# Altium PCB miniBackplane.PcbDoc (part 12 of 24) (continued)
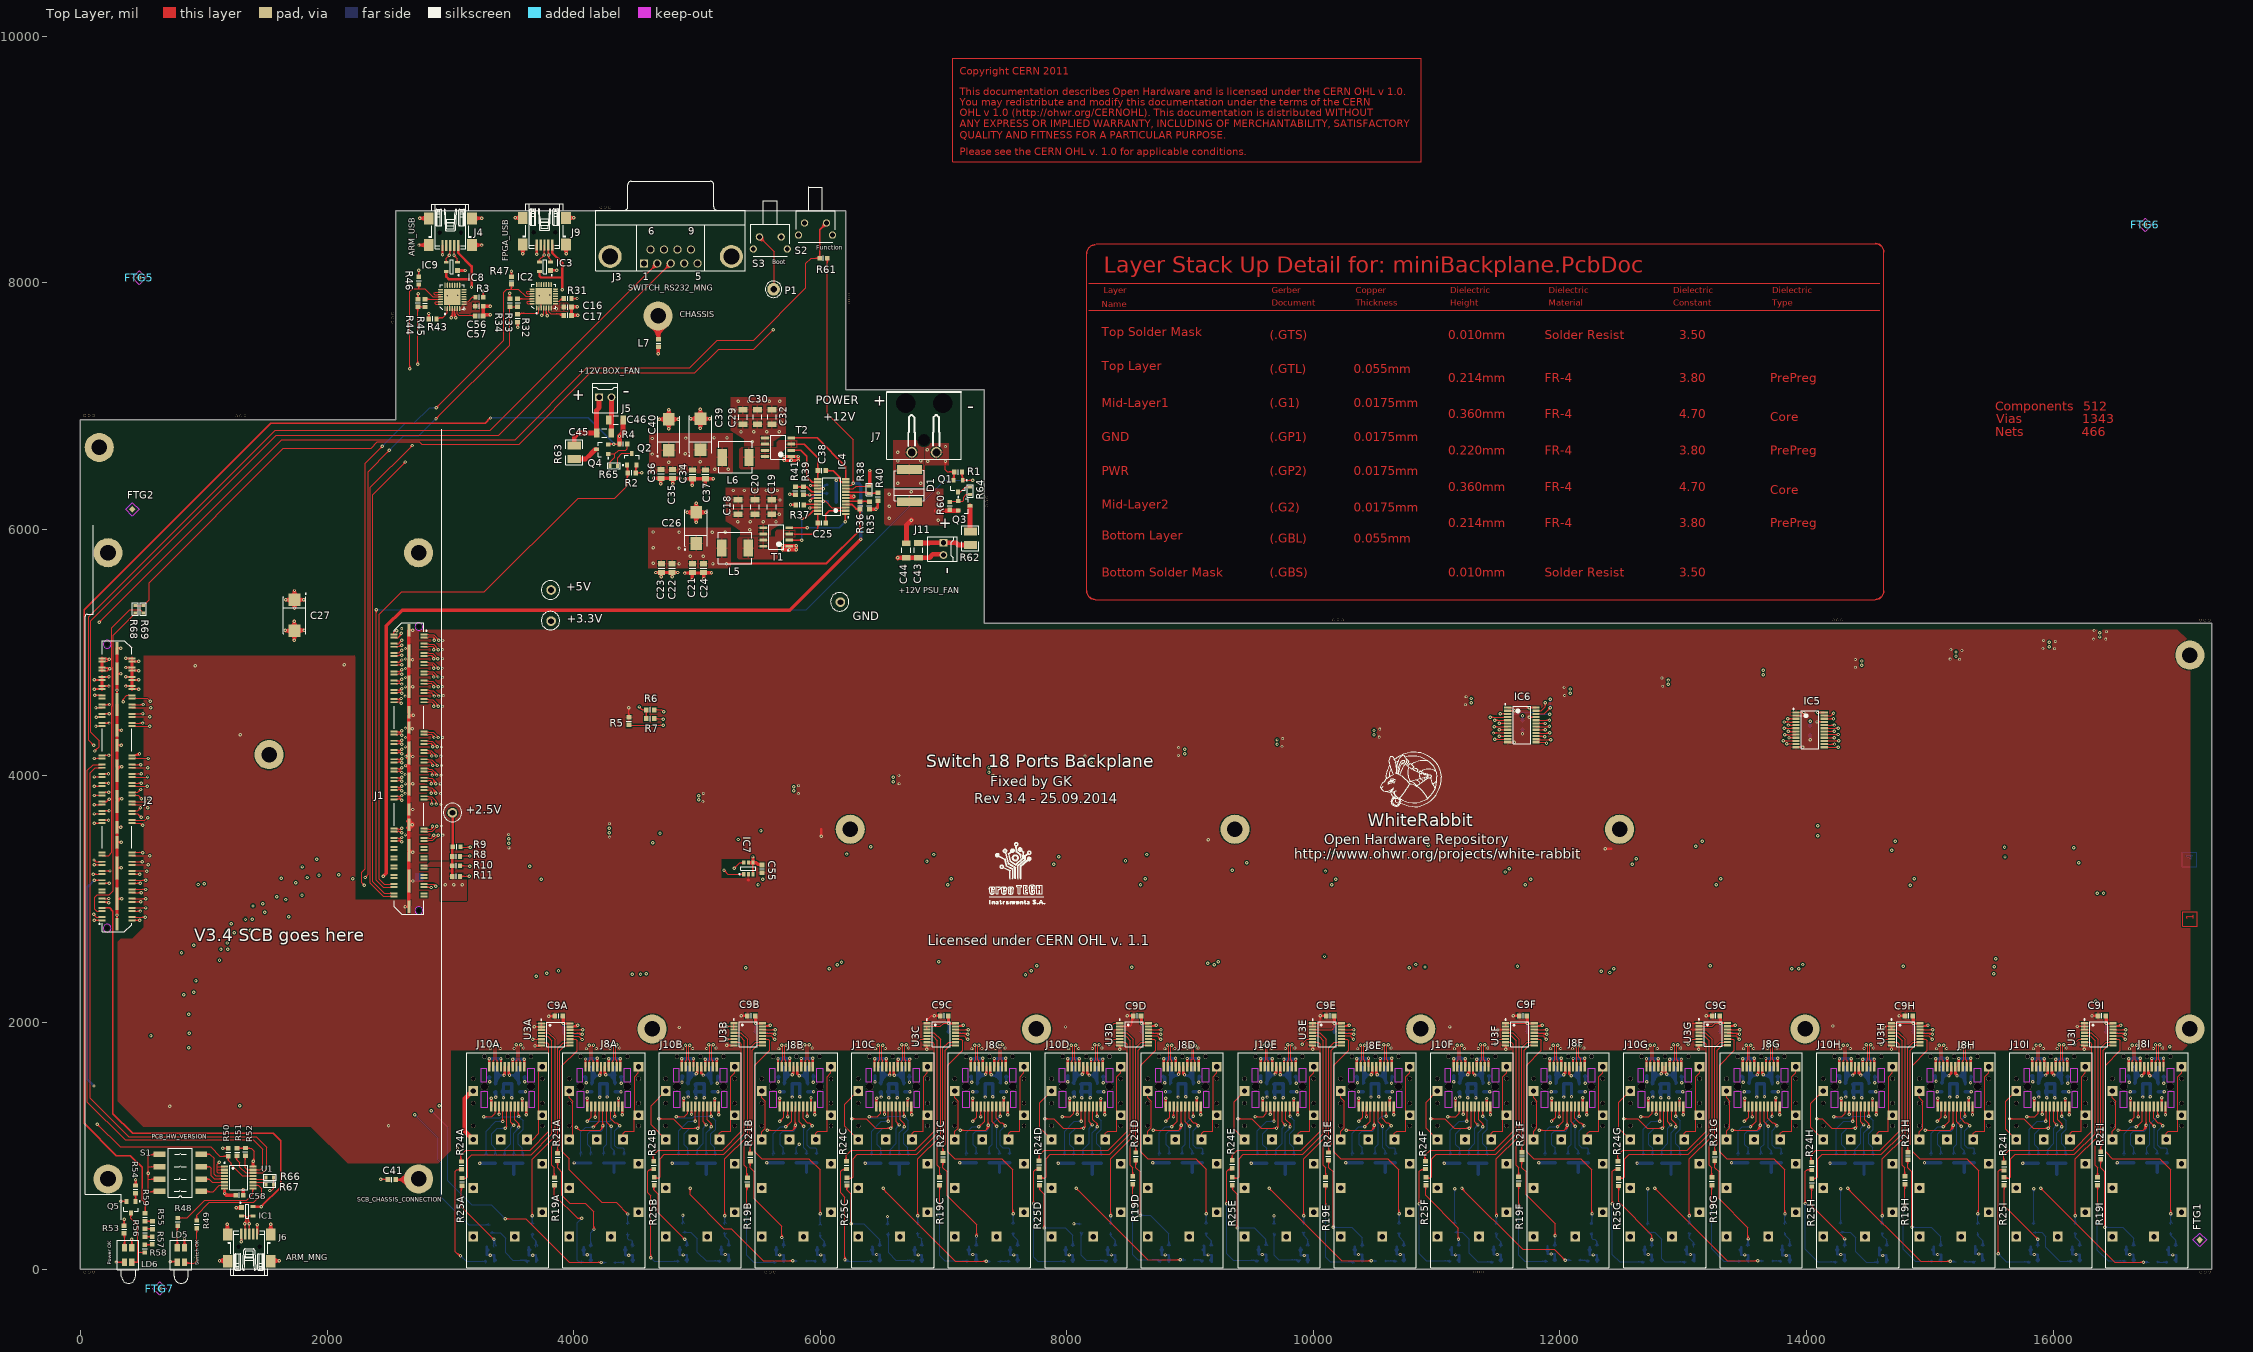
[diagram p0: Top Layer view]
## Nets (pads, with @x,y where several pads share a name; then routed paths per layer and width w, separated by ;. In a path a pad name is that pad's centre, name@x,y a point inside that pad or via, vN(x,y) a via of type N, cw(c..) or ccw(c..) an arc to the next point about the centre after c; other vN are vias at no path point) (continued)
  Mid-Layer 1 w7.09: v1(9460.63,3295.28) 9688.98,3295.28 10043.31,3649.61 11712.6,3649.61 12140.75,4077.76 12140.75,4362.2 12101.38,4401.57 v1(11915.35,4401.57) v1@11913.39,4399.61 ; 9485.34,3295.28 ccw(c9485.34,3270.56) 9467.87,3288.04 cw(c9485.34,3270.56) 9485.34,3295.28 ; 9485.34,3295.28 cw(c9485.34,3319.99) 9467.87,3302.51 ccw(c9485.34,3319.99) 9485.34,3295.28 ; 11940.07,4401.57 ccw(c11940.07,4376.86) 11922.59,4394.34 cw(c11940.07,4376.86) 11940.07,4401.57 ; 11940.07,4401.57 cw(c11940.07,4426.29) 11922.59,4408.81 ccw(c11940.07,4426.29) 11940.07,4401.57
  Mid-Layer 2 w7.09: v1(9387.18,1220.56) 9367.18,1240.56 9367.18,1677.8 9342.93,1702.06 9342.93,2150.24 9311.02,2182.15 9311.02,3263.78 9342.52,3295.28 v1@9456.69,3295.28 ; 9369.71,1238.03 ccw(c9387.18,1255.51) 9387.18,1230.8 cw(c9387.18,1255.51) 9369.71,1238.03 ; 9369.71,1238.03 cw(c9352.23,1220.56) 9376.94,1220.56 ccw(c9352.23,1220.56) 9369.71,1238.03 ; 9435.92,3295.28 ccw(c9435.92,3319.99) 9453.39,3302.51 cw(c9435.92,3319.99) 9435.92,3295.28 ; 9435.92,3295.28 cw(c9435.92,3270.56) 9453.39,3288.04 ccw(c9435.92,3270.56) 9435.92,3295.28
  Bottom Layer w7.87: R30E.1@9621.81,922.53 9621.81,977.94 9591.13,1008.62 9591.13,1098.62 9636.13,1143.62 v1(9701.13,1143.62) ; 9621.81,955.79 ccw(c9655.08,955.79) 9631.55,932.27 cw(c9655.08,955.79) 9621.81,955.79 ; 9621.81,955.79 cw(c9588.54,955.79) 9612.07,932.27 ccw(c9588.54,955.79) 9621.81,955.79 ; 9677.36,1143.62 ccw(c9677.36,1167.38) 9694.17,1150.58 cw(c9677.36,1167.38) 9677.36,1143.62 ; 9677.36,1143.62 cw(c9677.36,1119.86) 9694.17,1136.66 ccw(c9677.36,1119.86) 9677.36,1143.62
I2C_DL_SC9: IC6.20 J8E.5 R16E.1 | length 7481
  Top Layer w7.87: v1(10267.18,1125.56) 10472.18,1125.56 ; 10481.89,1138.73 cw(c10518.83,1134.28) v1@10495.86,1163.55 ; v1@10486.9,1159.03 cw(c10473.32,1148.36) 10490.46,1146.3 ; J8E.5@10494.65,1320.05 v1(10494.65,1165.1) 10494.65,1148.02 ; IC6.20@11805.75,4451.3 v1(11915.35,4451.3) ; 10290.94,1125.56 ccw(c10290.94,1101.8) 10274.14,1118.6 cw(c10290.94,1101.8) 10290.94,1125.56 ; 10290.94,1125.56 cw(c10290.94,1149.32) 10274.14,1132.52 ccw(c10290.94,1149.32) 10290.94,1125.56 ; 10472.18,1125.56 ccw(c10440.39,1157.36) 10484.9,1163.71 cw(c10440.39,1157.36) 10472.18,1125.56 ; 10472.18,1125.56 10494.65,1148.02 ; 10494.65,1148.02 ccw(c10484.75,1148.02) 10489.71,1156.59 cw(c10484.75,1148.02) 10494.65,1148.02 ; 10494.65,1148.02 cw(c10504.54,1148.02) 10499.58,1156.59 ccw(c10504.54,1148.02) 10494.65,1148.02 ; 10494.65,1188.86 ccw(c10518.41,1188.86) 10501.61,1172.06 cw(c10518.41,1188.86) 10494.65,1188.86 ; 10494.65,1188.86 cw(c10470.88,1188.86) 10487.69,1172.06 ccw(c10470.88,1188.86) 10494.65,1188.86 ; 10494.65,1274.6 ccw(c10480.39,1274.6) 10490.47,1284.68 cw(c10480.39,1274.6) 10494.65,1274.6 ; 10494.65,1274.6 cw(c10508.9,1274.6) 10498.82,1284.68 ccw(c10508.9,1274.6) 10494.65,1274.6 ; 11838.3,4451.3 ccw(c11838.3,4439.42) 11829.9,4447.82 cw(c11838.3,4439.42) 11838.3,4451.3 ; 11838.3,4451.3 cw(c11838.3,4463.18) 11829.9,4454.78 ccw(c11838.3,4463.18) 11838.3,4451.3 ; 11891.59,4451.3 ccw(c11891.59,4475.06) 11908.39,4458.26 cw(c11891.59,4475.06) 11891.59,4451.3 ; 11891.59,4451.3 cw(c11891.59,4427.54) 11908.39,4444.34 ccw(c11891.59,4427.54) 11891.59,4451.3 ; 10483.32,1136.7 ccw(c10459.88,1160.14) 10492.7,1164.82 cw(c10459.88,1160.14) 10483.32,1136.7 ; 10494.46,1147.83 ccw(c10479.37,1162.92) 10500.49,1165.94 cw(c10479.37,1162.92) 10494.46,1147.83
  Mid-Layer 1 w7.09: v1(10161.42,3374.02) 10346.46,3559.06 11763.78,3559.06 12212.6,4007.87 12212.6,4396.65 12157.95,4451.3 v1(11915.35,4451.3) ; 10178.89,3391.49 ccw(c10196.37,3374.02) 10171.65,3374.02 cw(c10196.37,3374.02) 10178.89,3391.49 ; 10178.89,3391.49 cw(c10161.42,3408.96) 10161.42,3384.25 ccw(c10161.42,3408.96) 10178.89,3391.49 ; 11940.07,4451.3 ccw(c11940.07,4426.59) 11922.59,4444.06 cw(c11940.07,4426.59) 11940.07,4451.3 ; 11940.07,4451.3 cw(c11940.07,4476.01) 11922.59,4458.54 ccw(c11940.07,4476.01) 11940.07,4451.3
  Mid-Layer 2 w7.09: 10149,3365.87 cw(c10165.65,3361.41) v1@10160.17,3377.75 ; v1@10165.35,3374.02 10066.93,3275.59 10066.93,2645.67 9996.06,2574.8 9996.06,1874.02 10067.18,1802.9 10067.18,1245.56 10187.18,1125.56 v1(10267.18,1125.56) ; 10242.47,1125.56 ccw(c10242.47,1150.27) 10259.94,1132.8 cw(c10242.47,1150.27) 10242.47,1125.56 ; 10242.47,1125.56 cw(c10242.47,1100.85) 10259.94,1118.32 ccw(c10242.47,1100.85) 10242.47,1125.56 ; 10141.16,3349.82 ccw(c10116.96,3374.02) 10151.18,3374.02 cw(c10116.96,3374.02) 10141.16,3349.82 ; 10150.66,3359.33 cw(c10161.42,3348.57) 10161.42,3363.78 ccw(c10161.42,3348.57) 10150.66,3359.33 ; 10153.26,3361.92 ccw(c10141.16,3374.02) 10158.27,3374.02 cw(c10141.16,3374.02) 10153.26,3361.92
  Bottom Layer w7.87: R16E.1@10396.13,925.12 10396.13,983.62 10371.13,1008.62 10371.13,1098.62 10391.13,1118.62 10481.13,1118.62 10494.65,1132.14 v1(10494.65,1165.1) ; 10396.13,958.38 ccw(c10429.39,958.38) 10405.87,934.86 cw(c10429.39,958.38) 10396.13,958.38 ; 10396.13,958.38 cw(c10362.86,958.38) 10386.38,934.86 ccw(c10362.86,958.38) 10396.13,958.38 ; 10494.65,1141.34 ccw(c10470.88,1141.34) 10487.69,1158.14 cw(c10470.88,1141.34) 10494.65,1141.34 ; 10494.65,1141.34 cw(c10518.41,1141.34) 10501.61,1158.14 ccw(c10518.41,1141.34) 10494.65,1141.34
I2C_DL_SC10: IC6.14 J10D.5 R30D.1 | length 8650.5
  Top Layer w7.87: v1(7822.18,1220.56) 7893.61,1220.56 7970.55,1143.62 v1(8136.13,1143.62) 8149.65,1157.14 ; J10D.5@8149.65,1320.05 8149.65,1157.14 ; IC6.14@11805.75,4297.76 11810.67,4292.83 v1@11927.17,4292.83 ; IC6.14@11829.69,4294.08 cw(c11835.8,4287.25) 11840.38,4295.18 ; 7845.94,1220.56 ccw(c7845.94,1196.8) 7829.14,1213.6 cw(c7845.94,1196.8) 7845.94,1220.56 ; 7845.94,1220.56 cw(c7845.94,1244.32) 7829.14,1227.52 ccw(c7845.94,1244.32) 7845.94,1220.56 ; 8112.36,1143.62 ccw(c8112.36,1167.38) 8129.17,1150.58 cw(c8112.36,1167.38) 8112.36,1143.62 ; 8112.36,1143.62 cw(c8112.36,1119.86) 8129.17,1136.66 ccw(c8112.36,1119.86) 8112.36,1143.62 ; 8149.65,1157.14 ccw(c8159.3,1147.49) 8145.83,1145.24 cw(c8159.3,1147.49) 8149.65,1157.14 ; 8149.65,1157.14 cw(c8139.99,1166.79) 8137.75,1153.33 ccw(c8139.99,1166.79) 8149.65,1157.14 ; 8149.65,1274.6 ccw(c8135.39,1274.6) 8145.47,1284.68 cw(c8135.39,1274.6) 8149.65,1274.6 ; 8149.65,1274.6 cw(c8163.9,1274.6) 8153.82,1284.68 ccw(c8163.9,1274.6) 8149.65,1274.6 ; IC6.14@11829.9,4301.24 ccw(c11850.18,4321.52) 11850.18,4292.83 cw(c11850.18,4321.52) IC6.14@11829.9,4301.24 ; 11902.26,4292.83 ccw(c11902.26,4318.21) 11920.21,4300.27 cw(c11902.26,4318.21) 11902.26,4292.83 ; 11904.54,4292.83 cw(c11904.54,4270.69) 11920.21,4286.35 ccw(c11904.54,4270.69) 11904.54,4292.83
  Mid-Layer 1 w7.09: v1(7934.45,3343.9) 8204.72,3614.17 9212.6,3614.17 9409.45,3811.02 11586.61,3811.02 11966.54,4190.94 11966.54,4281.5 11952.76,4295.28 ; v1@11926.18,4292.32 v1(11927.17,4293.31) ; v1@11927.17,4295.28 11952.76,4295.28 ; 7951.92,3361.37 ccw(c7969.4,3343.9) 7944.68,3343.9 cw(c7969.4,3343.9) 7951.92,3361.37 ; 7951.92,3361.37 cw(c7934.45,3378.85) 7934.45,3354.13 ccw(c7934.45,3378.85) 7951.92,3361.37 ; 11952.75,4295.28 ccw(c11952.75,4272.58) 11935.12,4286.86 cw(c11952.75,4272.58) 11952.75,4295.28 ; v1@11934.4,4300.55 ccw(c11947.13,4313.27) 11947.13,4295.28 cw(c11947.13,4313.27) v1@11934.4,4300.55
  Mid-Layer 2 w7.09: v1(7822.18,1220.56) 7802.18,1240.56 7802.18,1739.19 7925.2,1862.2 7925.2,2016.17 7805.71,2135.65 7805.71,3246.65 7902.95,3343.9 v1(7934.45,3343.9) ; 7804.71,1238.03 ccw(c7822.18,1255.51) 7822.18,1230.8 cw(c7822.18,1255.51) 7804.71,1238.03 ; 7804.71,1238.03 cw(c7787.23,1220.56) 7811.94,1220.56 ccw(c7787.23,1220.56) 7804.71,1238.03 ; 7909.74,3343.9 ccw(c7909.74,3368.61) 7927.21,3351.14 cw(c7909.74,3368.61) 7909.74,3343.9 ; 7909.74,3343.9 cw(c7909.74,3319.19) 7927.21,3336.66 ccw(c7909.74,3319.19) 7909.74,3343.9
  Bottom Layer w7.87: R30D.1@8056.81,922.53 8056.81,977.94 8026.13,1008.62 8026.13,1098.62 8071.13,1143.62 v1(8136.13,1143.62) ; 8056.81,955.79 ccw(c8090.08,955.79) 8066.55,932.27 cw(c8090.08,955.79) 8056.81,955.79 ; 8056.81,955.79 cw(c8023.54,955.79) 8047.07,932.27 ccw(c8023.54,955.79) 8056.81,955.79 ; 8112.36,1143.62 ccw(c8112.36,1167.38) 8129.17,1150.58 cw(c8112.36,1167.38) 8112.36,1143.62 ; 8112.36,1143.62 cw(c8112.36,1119.86) 8129.17,1136.66 ccw(c8112.36,1119.86) 8112.36,1143.62
I2C_DL_SC11: IC6.16 J8D.5 R16D.1 | length 8631.5
  Top Layer w7.87: v1(8702.18,1125.56) 8907.18,1125.56 ; 8916.89,1138.73 cw(c8953.83,1134.28) v1@8930.86,1163.55 ; v1@8921.9,1159.03 cw(c8908.32,1148.36) 8925.46,1146.3 ; J8D.5@8929.65,1320.05 v1(8929.65,1165.1) 8929.65,1148.02 ; IC6.16@11805.75,4348.94 11807.03,4347.65 v1@11915.57,4347.65 ; 8725.94,1125.56 ccw(c8725.94,1101.8) 8709.14,1118.6 cw(c8725.94,1101.8) 8725.94,1125.56 ; 8725.94,1125.56 cw(c8725.94,1149.32) 8709.14,1132.52 ccw(c8725.94,1149.32) 8725.94,1125.56 ; 8907.18,1125.56 ccw(c8875.39,1157.36) 8919.9,1163.71 cw(c8875.39,1157.36) 8907.18,1125.56 ; 8907.18,1125.56 8929.65,1148.02 ; 8929.65,1148.02 ccw(c8919.75,1148.02) 8924.71,1156.59 cw(c8919.75,1148.02) 8929.65,1148.02 ; 8929.65,1148.02 cw(c8939.54,1148.02) 8934.58,1156.59 ccw(c8939.54,1148.02) 8929.65,1148.02 ; 8929.65,1188.86 ccw(c8953.41,1188.86) 8936.61,1172.06 cw(c8953.41,1188.86) 8929.65,1188.86 ; 8929.65,1188.86 cw(c8905.88,1188.86) 8922.69,1172.06 ccw(c8905.88,1188.86) 8929.65,1188.86 ; 8929.65,1274.6 ccw(c8915.39,1274.6) 8925.47,1284.68 cw(c8915.39,1274.6) 8929.65,1274.6 ; 8929.65,1274.6 cw(c8943.9,1274.6) 8933.82,1284.68 ccw(c8943.9,1274.6) 8929.65,1274.6 ; 8918.32,1136.7 ccw(c8894.88,1160.14) 8927.7,1164.82 cw(c8894.88,1160.14) 8918.32,1136.7 ; 8929.46,1147.83 ccw(c8914.37,1162.92) 8935.49,1165.94 cw(c8914.37,1162.92) 8929.46,1147.83 ; IC6.16@11829.9,4345.46 cw(c11835.2,4340.15) 11835.2,4347.65 ccw(c11835.2,4340.15) IC6.16@11829.9,4345.46 ; IC6.16@11829.9,4352.42 ccw(c11841.39,4363.91) 11841.39,4347.65 cw(c11841.39,4363.91) IC6.16@11829.9,4352.42 ; 11889.32,4347.65 ccw(c11889.32,4377.41) 11910.36,4356.37 cw(c11889.32,4377.41) 11889.32,4347.65 ; 11897.8,4347.65 cw(c11897.8,4329.88) 11910.36,4342.45 ccw(c11897.8,4329.88) 11897.8,4347.65
  Mid-Layer 1 w7.09: v1(8649.61,3362.2) 9468.5,3362.2 9830.71,3724.41 11653.54,3724.41 12076.77,4147.64 12076.77,4323.82 12051.65,4348.94 v1@11917.32,4348.94 ; v1@11915.57,4347.65 v1(11917.32,4349.41) ; 8674.32,3362.2 ccw(c8674.32,3337.49) 8656.84,3354.97 cw(c8674.32,3337.49) 8674.32,3362.2 ; 8674.32,3362.2 cw(c8674.32,3386.92) 8656.84,3369.44 ccw(c8674.32,3386.92) 8674.32,3362.2 ; v1@11924.56,4342.17 cw(c11940.89,4325.84) 11940.89,4348.94 ccw(c11940.89,4325.84) v1@11924.56,4342.17 ; v1@11924.56,4356.65 ccw(c11943.18,4375.26) 11943.18,4348.94 cw(c11943.18,4375.26) v1@11924.56,4356.65
  Mid-Layer 2 w7.09: v1(8649.61,3362.2) 8468.5,3362.2 8430.71,3324.41 8430.71,2011.09 8462.18,1979.61 8462.18,1740.56 8502.18,1700.56 8502.18,1245.56 8622.18,1125.56 v1(8702.18,1125.56) ; 8624.89,3362.2 ccw(c8624.89,3386.92) 8642.37,3369.44 cw(c8624.89,3386.92) 8624.89,3362.2 ; 8624.89,3362.2 cw(c8624.89,3337.49) 8642.37,3354.97 ccw(c8624.89,3337.49) 8624.89,3362.2 ; 8677.47,1125.56 ccw(c8677.47,1150.27) 8694.94,1132.8 cw(c8677.47,1150.27) 8677.47,1125.56 ; 8677.47,1125.56 cw(c8677.47,1100.85) 8694.94,1118.32 ccw(c8677.47,1100.85) 8677.47,1125.56
  Bottom Layer w7.87: R16D.1@8831.13,925.12 8831.13,983.62 8806.13,1008.62 8806.13,1098.62 8826.13,1118.62 8916.13,1118.62 8929.65,1132.14 v1(8929.65,1165.1) ; 8831.13,958.38 ccw(c8864.39,958.38) 8840.87,934.86 cw(c8864.39,958.38) 8831.13,958.38 ; 8831.13,958.38 cw(c8797.86,958.38) 8821.38,934.86 ccw(c8797.86,958.38) 8831.13,958.38 ; 8929.65,1141.34 ccw(c8905.88,1141.34) 8922.69,1158.14 cw(c8905.88,1141.34) 8929.65,1141.34 ; 8929.65,1141.34 cw(c8953.41,1141.34) 8936.61,1158.14 ccw(c8953.41,1141.34) 8929.65,1141.34
I2C_DL_SC12: IC6.9 J10C.5 R30C.1 | length 9704.8
  Top Layer w7.87: v1(6257.18,1220.56) 6372.18,1220.56 6449.12,1143.62 v1(6571.13,1143.62) 6584.65,1157.14 ; J10C.5@6584.65,1320.05 6584.65,1157.14 ; v1@11461.61,4348.94 11461.19,4348.51 v1(11461.19,4347.65) 11461.96,4348.43 11576.89,4348.43 IC6.9@11577.4,4348.94 ; 6280.94,1220.56 ccw(c6280.94,1196.8) 6264.14,1213.6 cw(c6280.94,1196.8) 6280.94,1220.56 ; 6280.94,1220.56 cw(c6280.94,1244.32) 6264.14,1227.52 ccw(c6280.94,1244.32) 6280.94,1220.56 ; 6547.36,1143.62 ccw(c6547.36,1167.38) 6564.17,1150.58 cw(c6547.36,1167.38) 6547.36,1143.62 ; 6547.36,1143.62 cw(c6547.36,1119.86) 6564.17,1136.66 ccw(c6547.36,1119.86) 6547.36,1143.62 ; 6584.65,1157.14 ccw(c6594.3,1147.49) 6580.83,1145.24 cw(c6594.3,1147.49) 6584.65,1157.14 ; 6584.65,1157.14 cw(c6574.99,1166.79) 6572.75,1153.33 ccw(c6574.99,1166.79) 6584.65,1157.14 ; J10C.5@6577.97,1284.68 cw(c6561.85,1268.57) 6584.65,1268.57 ccw(c6561.85,1268.57) J10C.5@6577.97,1284.68 ; v1@11468.15,4340.69 cw(c11486.82,4322.03) 11486.82,4348.43 ccw(c11486.82,4322.03) v1@11468.15,4340.69 ; v1@11468.15,4354.61 ccw(c11483.09,4369.55) 11483.09,4348.43 cw(c11483.09,4369.55) v1@11468.15,4354.61 ; 11543.62,4348.43 ccw(c11543.62,4362.05) 11553.25,4352.42 cw(c11543.62,4362.05) 11543.62,4348.43 ; 11546.09,4348.43 cw(c11546.09,4338.29) 11553.25,4345.46 ccw(c11546.09,4338.29) 11546.09,4348.43
  Mid-Layer 1 w7.09: v1@6228.35,3362.2 6539.37,3362.2 6673.23,3496.06 7515.75,3496.06 7885.83,3866.14 9145.67,3866.14 9283.46,4003.94 11087.28,4003.94 11432.28,4348.94 v1@11461.61,4348.94 ; v1@6218.76,3368.37 ccw(c6233.64,3383.25) 6233.64,3362.2 cw(c6233.64,3383.25) v1@6218.76,3368.37 ; v1@6223.77,3358.9 cw(c6231.74,3350.93) 6231.74,3362.2 ccw(c6231.74,3350.93) v1@6223.77,3358.9 ; v1@6223.77,3373.38 ccw(c6250.75,3400.36) 6250.75,3362.2 cw(c6250.75,3400.36) v1@6223.77,3373.38 ; 11433.38,4348.94 cw(c11433.38,4319.84) 11453.95,4340.42 ccw(c11433.38,4319.84) 11433.38,4348.94 ; 11439.58,4348.94 ccw(c11439.58,4369.27) 11453.95,4354.89 cw(c11439.58,4369.27) 11439.58,4348.94
  Mid-Layer 2 w7.09: 6214.51,3349.88 cw(c6223.09,3354.84) v1@6218.12,3363.42 ; 6218.06,3343.73 cw(c6226.66,3348.7) v1@6221.67,3357.29 ; v1@6222.44,3366.14 6222.44,1255.3 v1(6257.18,1220.56) ; 6239.71,1238.03 ccw(c6257.18,1255.51) 6257.18,1230.8 cw(c6257.18,1255.51) 6239.71,1238.03 ; 6239.71,1238.03 cw(c6222.23,1220.56) 6246.94,1220.56 ccw(c6222.23,1220.56) 6239.71,1238.03 ; v1@6209.3,3358.9 cw(c6177.57,3327.17) 6222.44,3327.17 ccw(c6177.57,3327.17) v1@6209.3,3358.9 ; v1@6214.31,3363.91 cw(c6194.67,3344.28) 6222.44,3344.28 ccw(c6194.67,3344.28) v1@6214.31,3363.91
  Bottom Layer w7.87: R30C.1@6491.81,922.53 6491.81,977.94 6461.13,1008.62 6461.13,1098.62 6506.13,1143.62 v1(6571.13,1143.62) ; 6491.81,955.79 ccw(c6525.08,955.79) 6501.55,932.27 cw(c6525.08,955.79) 6491.81,955.79 ; 6491.81,955.79 cw(c6458.54,955.79) 6482.07,932.27 ccw(c6458.54,955.79) 6491.81,955.79 ; 6547.36,1143.62 ccw(c6547.36,1167.38) 6564.17,1150.58 cw(c6547.36,1167.38) 6547.36,1143.62 ; 6547.36,1143.62 cw(c6547.36,1119.86) 6564.17,1136.66 ccw(c6547.36,1119.86) 6547.36,1143.62
  other v1: 6216.54,3366.14
I2C_DL_SC13: IC6.11 J8C.5 R16C.1 | length 9296.3
  Top Layer w7.87: v1(7137.18,1125.56) 7342.18,1125.56 ; 7351.89,1138.73 cw(c7388.83,1134.28) v1@7365.86,1163.55 ; v1@7356.9,1159.03 cw(c7343.32,1148.36) 7360.46,1146.3 ; J8C.5@7364.65,1320.05 v1(7364.65,1165.1) 7364.65,1148.02 ; v1(11471.46,4296.26) 11575.91,4296.26 IC6.11@11577.4,4297.76 ; 7160.94,1125.56 ccw(c7160.94,1101.8) 7144.14,1118.6 cw(c7160.94,1101.8) 7160.94,1125.56 ; 7160.94,1125.56 cw(c7160.94,1149.32) 7144.14,1132.52 ccw(c7160.94,1149.32) 7160.94,1125.56 ; 7342.18,1125.56 ccw(c7310.39,1157.36) 7354.9,1163.71 cw(c7310.39,1157.36) 7342.18,1125.56 ; 7342.18,1125.56 7364.65,1148.02 ; 7364.65,1148.02 ccw(c7354.75,1148.02) 7359.71,1156.59 cw(c7354.75,1148.02) 7364.65,1148.02 ; 7364.65,1148.02 cw(c7374.54,1148.02) 7369.58,1156.59 ccw(c7374.54,1148.02) 7364.65,1148.02 ; 7364.65,1188.86 ccw(c7388.41,1188.86) 7371.61,1172.06 cw(c7388.41,1188.86) 7364.65,1188.86 ; 7364.65,1188.86 cw(c7340.88,1188.86) 7357.69,1172.06 ccw(c7340.88,1188.86) 7364.65,1188.86 ; 7364.65,1274.6 ccw(c7350.39,1274.6) 7360.47,1284.68 cw(c7350.39,1274.6) 7364.65,1274.6 ; 7364.65,1274.6 cw(c7378.9,1274.6) 7368.82,1284.68 ccw(c7378.9,1274.6) 7364.65,1274.6 ; 11495.22,4296.26 ccw(c11495.22,4272.5) 11478.42,4289.3 cw(c11495.22,4272.5) 11495.22,4296.26 ; 11495.22,4296.26 cw(c11495.22,4320.02) 11478.42,4303.22 ccw(c11495.22,4320.02) 11495.22,4296.26 ; 7353.32,1136.7 ccw(c7329.88,1160.14) 7362.7,1164.82 cw(c7329.88,1160.14) 7353.32,1136.7 ; 7364.46,1147.83 ccw(c7349.37,1162.92) 7370.49,1165.94 cw(c7349.37,1162.92) 7364.46,1147.83 ; 11541.24,4296.26 ccw(c11541.24,4313.25) 11553.25,4301.24 cw(c11541.24,4313.25) 11541.24,4296.26
  Mid-Layer 1 w7.09: v1@6870.08,3307.09 6937.01,3307.09 6984.25,3354.33 7692.91,3354.33 8129.92,3791.34 9200.79,3791.34 9354.33,3944.88 11118.58,3944.88 v1@11471.46,4297.76 ; 11464.18,4284.07 ccw(c11460.14,4299.17) v1@11475.27,4295.28 ; 6890.85,3307.09 ccw(c6890.85,3282.37) 6873.38,3299.85 cw(c6890.85,3282.37) 6890.85,3307.09 ; 6890.85,3307.09 cw(c6890.85,3331.8) 6873.38,3314.32 ccw(c6890.85,3331.8) 6890.85,3307.09 ; 11451.43,4277.73 cw(c11471.46,4257.7) 11471.46,4286.02 ccw(c11471.46,4257.7) 11451.43,4277.73 ; 11455.04,4281.34 ccw(c11440.12,4296.26) 11461.22,4296.26 cw(c11440.12,4296.26) 11455.04,4281.34
  Mid-Layer 2 w7.09: v1@6865.71,3311.02 6865.71,2002.03 6897.18,1970.56 6897.18,1740.56 6937.18,1700.56 6937.18,1245.56 7057.18,1125.56 v1(7137.18,1125.56) ; 7112.47,1125.56 ccw(c7112.47,1150.27) 7129.94,1132.8 cw(c7112.47,1150.27) 7112.47,1125.56 ; 7112.47,1125.56 cw(c7112.47,1100.85) 7129.94,1118.32 ccw(c7112.47,1100.85) 7112.47,1125.56 ; v1@6858.9,3299.85 cw(c6842.47,3283.42) 6865.71,3283.42 ccw(c6842.47,3283.42) v1@6858.9,3299.85 ; 6865.71,3281.33 cw(c6891.9,3281.33) 6873.38,3299.85 ccw(c6891.9,3281.33) 6865.71,3281.33
  Bottom Layer w7.87: R16C.1@7266.13,925.12 7266.13,983.62 7241.13,1008.62 7241.13,1098.62 7261.13,1118.62 7351.13,1118.62 7364.65,1132.14 v1(7364.65,1165.1) ; 7266.13,958.38 ccw(c7299.39,958.38) 7275.87,934.86 cw(c7299.39,958.38) 7266.13,958.38 ; 7266.13,958.38 cw(c7232.86,958.38) 7256.38,934.86 ccw(c7232.86,958.38) 7266.13,958.38 ; 7364.65,1141.34 ccw(c7340.88,1141.34) 7357.69,1158.14 cw(c7340.88,1141.34) 7364.65,1141.34 ; 7364.65,1141.34 cw(c7388.41,1141.34) 7371.61,1158.14 ccw(c7388.41,1141.34) 7364.65,1141.34
  other v1: 6866.14,3307.09
I2C_DL_SC14: IC6.5 J10B.5 R30B.1 | length 11436
  Top Layer w7.87: v1(4692.18,1220.55) 4807.18,1220.55 4884.12,1143.61 v1(5006.13,1143.61) 5019.65,1157.13 ; J10B.5@5019.65,1320.04 5019.65,1157.13 ; v1(11472.44,4451.77) 11576.93,4451.77 IC6.5@11577.4,4451.3 ; 4715.94,1220.55 ccw(c4715.94,1196.79) 4699.14,1213.59 cw(c4715.94,1196.79) 4715.94,1220.55 ; 4715.94,1220.55 cw(c4715.94,1244.31) 4699.14,1227.51 ccw(c4715.94,1244.31) 4715.94,1220.55 ; 4982.36,1143.61 ccw(c4982.36,1167.38) 4999.17,1150.57 cw(c4982.36,1167.38) 4982.36,1143.61 ; 4982.36,1143.61 cw(c4982.36,1119.85) 4999.17,1136.65 ccw(c4982.36,1119.85) 4982.36,1143.61 ; 5019.65,1157.13 ccw(c5029.3,1147.48) 5015.83,1145.24 cw(c5029.3,1147.48) 5019.65,1157.13 ; 5019.65,1157.13 cw(c5009.99,1166.78) 5007.75,1153.32 ccw(c5009.99,1166.78) 5019.65,1157.13 ; 5019.65,1274.6 ccw(c5005.39,1274.6) 5015.47,1284.68 cw(c5005.39,1274.6) 5019.65,1274.6 ; 5019.65,1274.6 cw(c5033.9,1274.6) 5023.82,1284.68 ccw(c5033.9,1274.6) 5019.65,1274.6 ; 11496.2,4451.77 ccw(c11496.2,4428.01) 11479.4,4444.81 cw(c11496.2,4428.01) 11496.2,4451.77 ; 11496.2,4451.77 cw(c11496.2,4475.53) 11479.4,4458.73 ccw(c11496.2,4475.53) 11496.2,4451.77 ; 11543.71,4451.77 cw(c11543.71,4438.28) 11553.25,4447.82 ccw(c11543.71,4438.28) 11543.71,4451.77 ; 11545.99,4451.77 ccw(c11545.99,4462.04) 11553.25,4454.78 cw(c11545.99,4462.04) 11545.99,4451.77
  Mid-Layer 1 w7.09: v1@4638,3457.94 cw(c4654.34,3452.46) 4649.88,3469.11 ; v1@4643.7,3454.72 4669.29,3480.32 5153.54,3480.32 5468.5,3795.28 6763.78,3795.28 6905.51,3937.01 7527.56,3937.01 7622.05,4031.5 9035.43,4031.5 9161.42,4157.48 11079.72,4157.48 11373.54,4451.3 v1@11472.44,4451.3 ; v1@4641.73,3459.84 ccw(c4641.73,3476.95) 4653.83,3464.85 cw(c4641.73,3476.95) v1@4641.73,3459.84 ; v1@4641.73,3466.93 ccw(c4641.73,3501.15) 4665.93,3476.95 cw(c4641.73,3501.15) v1@4641.73,3466.93 ; v1@4651.97,3456.69 cw(c4667.18,3456.69) 4656.42,3467.45 ccw(c4667.18,3456.69) v1@4651.97,3456.69 ; 11446.59,4451.3 ccw(c11446.59,4477.62) 11465.2,4459.01 cw(c11446.59,4477.62) 11446.59,4451.3 ; 11448.87,4451.3 cw(c11448.87,4428.2) 11465.2,4444.53 ccw(c11448.87,4428.2) 11448.87,4451.3
  Mid-Layer 2 w7.09: v1(4641.73,3456.69) 4675.71,3422.72 4675.71,2119.57 4787.4,2007.87 4787.4,1842.11 4672.18,1726.89 4672.18,1240.55 v1(4692.18,1220.55) ; 4659.21,3439.22 ccw(c4641.73,3421.74) 4641.73,3446.46 cw(c4641.73,3421.74) 4659.21,3439.22 ; 4659.21,3439.22 cw(c4676.68,3456.69) 4651.97,3456.69 ccw(c4676.68,3456.69) 4659.21,3439.22 ; 4674.71,1238.03 ccw(c4692.18,1255.5) 4692.18,1230.79 cw(c4692.18,1255.5) 4674.71,1238.03 ; 4674.71,1238.03 cw(c4657.23,1220.55) 4681.94,1220.55 ccw(c4657.23,1220.55) 4674.71,1238.03
  Bottom Layer w7.87: R30B.1@4926.81,922.52 4926.81,977.93 4896.13,1008.61 4896.13,1098.61 4941.13,1143.61 v1(5006.13,1143.61) ; 4926.81,955.79 ccw(c4960.08,955.79) 4936.55,932.26 cw(c4960.08,955.79) 4926.81,955.79 ; 4926.81,955.79 cw(c4893.54,955.79) 4917.07,932.26 ccw(c4893.54,955.79) 4926.81,955.79 ; 4982.36,1143.61 ccw(c4982.36,1167.38) 4999.17,1150.57 cw(c4982.36,1167.38) 4982.36,1143.61 ; 4982.36,1143.61 cw(c4982.36,1119.85) 4999.17,1136.65 ccw(c4982.36,1119.85) 4982.36,1143.61
I2C_DL_SC15: IC6.7 J8B.5 R16B.1 | length 11001.4
  Top Layer w7.87: v1(5572.18,1125.55) 5777.18,1125.55 ; 5786.89,1138.73 cw(c5823.83,1134.27) v1@5800.86,1163.55 ; v1@5791.9,1159.02 cw(c5778.32,1148.36) 5795.46,1146.29 ; J8B.5@5799.65,1320.04 v1(5799.65,1165.09) 5799.65,1148.02 ; v1(11468.5,4399.61) 11468.72,4399.82 11519.04,4399.82 11519.25,4399.61 11576.89,4399.61 IC6.7@11577.4,4400.12 ; 5595.94,1125.55 ccw(c5595.94,1101.79) 5579.14,1118.59 cw(c5595.94,1101.79) 5595.94,1125.55 ; 5595.94,1125.55 cw(c5595.94,1149.31) 5579.14,1132.51 ccw(c5595.94,1149.31) 5595.94,1125.55 ; 5777.18,1125.55 ccw(c5745.39,1157.35) 5789.9,1163.7 cw(c5745.39,1157.35) 5777.18,1125.55 ; 5777.18,1125.55 5799.65,1148.02 ; 5799.65,1148.02 ccw(c5789.75,1148.02) 5794.71,1156.58 cw(c5789.75,1148.02) 5799.65,1148.02 ; 5799.65,1148.02 cw(c5809.54,1148.02) 5804.58,1156.58 ccw(c5809.54,1148.02) 5799.65,1148.02 ; 5799.65,1188.86 ccw(c5823.41,1188.86) 5806.61,1172.05 cw(c5823.41,1188.86) 5799.65,1188.86 ; 5799.65,1188.86 cw(c5775.88,1188.86) 5792.69,1172.05 ccw(c5775.88,1188.86) 5799.65,1188.86 ; 5799.65,1274.6 ccw(c5785.39,1274.6) 5795.47,1284.68 cw(c5785.39,1274.6) 5799.65,1274.6 ; 5799.65,1274.6 cw(c5813.9,1274.6) 5803.82,1284.68 ccw(c5813.9,1274.6) 5799.65,1274.6 ; 5788.32,1136.69 ccw(c5764.88,1160.13) 5797.7,1164.82 cw(c5764.88,1160.13) 5788.32,1136.69 ; 5799.46,1147.83 ccw(c5784.37,1162.91) 5805.49,1165.93 cw(c5784.37,1162.91) 5799.46,1147.83 ; v1@11475.46,4392.65 cw(c11492.78,4375.33) 11492.78,4399.82 ccw(c11492.78,4375.33) v1@11475.46,4392.65 ; v1@11475.46,4406.57 ccw(c11491.75,4422.85) 11491.75,4399.82 cw(c11491.75,4422.85) v1@11475.46,4406.57 ; 11543.62,4399.61 ccw(c11543.62,4413.23) 11553.25,4403.6 cw(c11543.62,4413.23) 11543.62,4399.61 ; 11546.09,4399.61 cw(c11546.09,4389.47) 11553.25,4396.64 ccw(c11546.09,4389.47) 11546.09,4399.61
  Mid-Layer 1 w7.09: v1(5334.65,3484.25) 5519.96,3484.25 5748.31,3712.6 7492.13,3712.6 7724.41,3944.88 9102.36,3944.88 9224.41,4066.93 11062.99,4066.93 11396.18,4400.12 v1@11468.5,4400.12 ; 5359.36,3484.25 ccw(c5359.36,3459.54) 5341.88,3477.01 cw(c5359.36,3459.54) 5359.36,3484.25 ; 5359.36,3484.25 cw(c5359.36,3508.96) 5341.88,3491.49 ccw(c5359.36,3508.96) 5359.36,3484.25 ; 11442.56,4400.12 cw(c11442.56,4373.66) 11461.27,4392.37 ccw(c11442.56,4373.66) 11442.56,4400.12 ; 11445.03,4400.12 ccw(c11445.03,4423.08) 11461.27,4406.84 cw(c11445.03,4423.08) 11445.03,4400.12
  Mid-Layer 2 w7.09: v1(5334.65,3484.25) 5277.2,3426.8 5277.2,1915.72 5372.18,1820.73 5372.18,1245.55 5492.18,1125.55 v1(5572.18,1125.55) ; 5317.17,3466.78 ccw(c5299.7,3484.25) 5324.41,3484.25 cw(c5299.7,3484.25) 5317.17,3466.78 ; 5317.17,3466.78 cw(c5334.65,3449.3) 5334.65,3474.02 ccw(c5334.65,3449.3) 5317.17,3466.78 ; 5547.47,1125.55 ccw(c5547.47,1150.26) 5564.94,1132.79 cw(c5547.47,1150.26) 5547.47,1125.55 ; 5547.47,1125.55 cw(c5547.47,1100.84) 5564.94,1118.31 ccw(c5547.47,1100.84) 5547.47,1125.55
  Bottom Layer w7.87: R16B.1@5701.13,925.11 5701.13,983.61 5676.13,1008.61 5676.13,1098.61 5696.13,1118.61 5786.13,1118.61 5799.65,1132.13 v1(5799.65,1165.09) ; 5701.13,958.38 ccw(c5734.39,958.38) 5710.87,934.85 cw(c5734.39,958.38) 5701.13,958.38 ; 5701.13,958.38 cw(c5667.86,958.38) 5691.38,934.85 ccw(c5667.86,958.38) 5701.13,958.38 ; 5799.65,1141.33 ccw(c5775.88,1141.33) 5792.69,1158.13 cw(c5775.88,1141.33) 5799.65,1141.33 ; 5799.65,1141.33 cw(c5823.41,1141.33) 5806.61,1158.13 ccw(c5823.41,1141.33) 5799.65,1141.33
I2C_DL_SD0: IC5.17 J10I.4 R29I.1 | length 5581.6
  Top Layer w7.87: IC5.17@14143.27,4335.16 14143.95,4335.84 14236.69,4335.84 14236.9,4335.63 ; v1(14257.87,4335.63) 14236.9,4335.63 ; v1@15942.72,1200.65 J10I.4@15942.72,1320.05 ; 14236.9,4335.63 ccw(c14236.9,4353.06) 14250.3,4341.92 cw(c14236.9,4353.06) 14236.9,4335.63 ; 14236.9,4335.63 cw(c14236.9,4318.2) 14250.3,4329.34 ccw(c14236.9,4318.2) 14236.9,4335.63 ; 15942.72,1274.6 ccw(c15928.46,1274.6) 15938.54,1284.68 cw(c15928.46,1274.6) 15942.72,1274.6 ; 15942.72,1274.6 cw(c15956.97,1274.6) 15946.89,1284.68 ccw(c15956.97,1274.6) 15942.72,1274.6 ; IC5.17@14167.42,4331.68 cw(c14177.47,4321.63) 14177.47,4335.84 ccw(c14177.47,4321.63) IC5.17@14167.42,4331.68 ; IC5.17@14167.42,4338.64 ccw(c14174.17,4345.39) 14174.17,4335.84 cw(c14174.17,4345.39) IC5.17@14167.42,4338.64 ; v1@15933.73,1205.58 ccw(c15912.05,1227.27) 15942.72,1227.27 cw(c15912.05,1227.27) v1@15933.73,1205.58 ; 15942.72,1217.5 ccw(c15959.57,1217.5) 15947.65,1205.58 cw(c15959.57,1217.5) 15942.72,1217.5
  Mid-Layer 1 w7.09: v1@14257.87,4335.16 14767.2,4335.16 15606.3,3496.06 v1(15606.3,3421.26) ; 15606.3,3445.97 ccw(c15631.01,3445.97) 15613.54,3428.5 cw(c15631.01,3445.97) 15606.3,3445.97 ; 15606.3,3445.97 cw(c15581.59,3445.97) 15599.06,3428.5 ccw(c15581.59,3445.97) 15606.3,3445.97 ; v1@14265.11,4328.39 cw(c14281.45,4312.06) 14281.45,4335.16 ccw(c14281.45,4312.06) v1@14265.11,4328.39 ; v1@14265.11,4342.87 ccw(c14283.73,4361.48) 14283.73,4335.16 cw(c14283.73,4361.48) v1@14265.11,4342.87
  Mid-Layer 2 w7.09: v1(15606.3,3421.26) 15645.71,3381.85 15645.71,1303.11 15777.89,1170.93 15806.38,1170.93 ; 15806.38,1170.19 15834.81,1198.62 v1(15940.69,1198.62) ; 15623.77,3403.79 ccw(c15606.3,3386.31) 15606.3,3411.02 cw(c15606.3,3386.31) 15623.77,3403.79 ; 15623.77,3403.79 cw(c15641.25,3421.26) 15616.54,3421.26 ccw(c15641.25,3421.26) 15623.77,3403.79 ; 15915.98,1198.62 ccw(c15915.98,1223.33) 15933.45,1205.86 cw(c15915.98,1223.33) 15915.98,1198.62 ; 15915.98,1198.62 cw(c15915.98,1173.91) 15933.45,1191.38 ccw(c15915.98,1173.91) 15915.98,1198.62
  Bottom Layer w7.87: R29I.1@15806.38,922.53 15806.38,1134.38 15870.62,1198.62 v1(15940.69,1198.62) ; 15806.38,955.79 ccw(c15839.64,955.79) 15816.12,932.27 cw(c15839.64,955.79) 15806.38,955.79 ; 15806.38,955.79 cw(c15773.11,955.79) 15796.63,932.27 ccw(c15773.11,955.79) 15806.38,955.79 ; 15916.93,1198.62 ccw(c15916.93,1222.38) 15933.73,1205.58 cw(c15916.93,1222.38) 15916.93,1198.62 ; 15916.93,1198.62 cw(c15916.93,1174.86) 15933.73,1191.66 ccw(c15916.93,1174.86) 15916.93,1198.62